# Altium PCB OpenHeat.PcbDoc
Units mil, origin at the board's own origin, x right, y up, seen from the top; angles counter-clockwise.
Board outline 2010 x 1025 mil, 4 copper layers (Top1, Signal2, Gnd3, Bottom4), stack 40.989 mil thick; 74 components, 78 nets, 375 pads, 298 vias.
Unrouted connection lines stored in the file: 56.
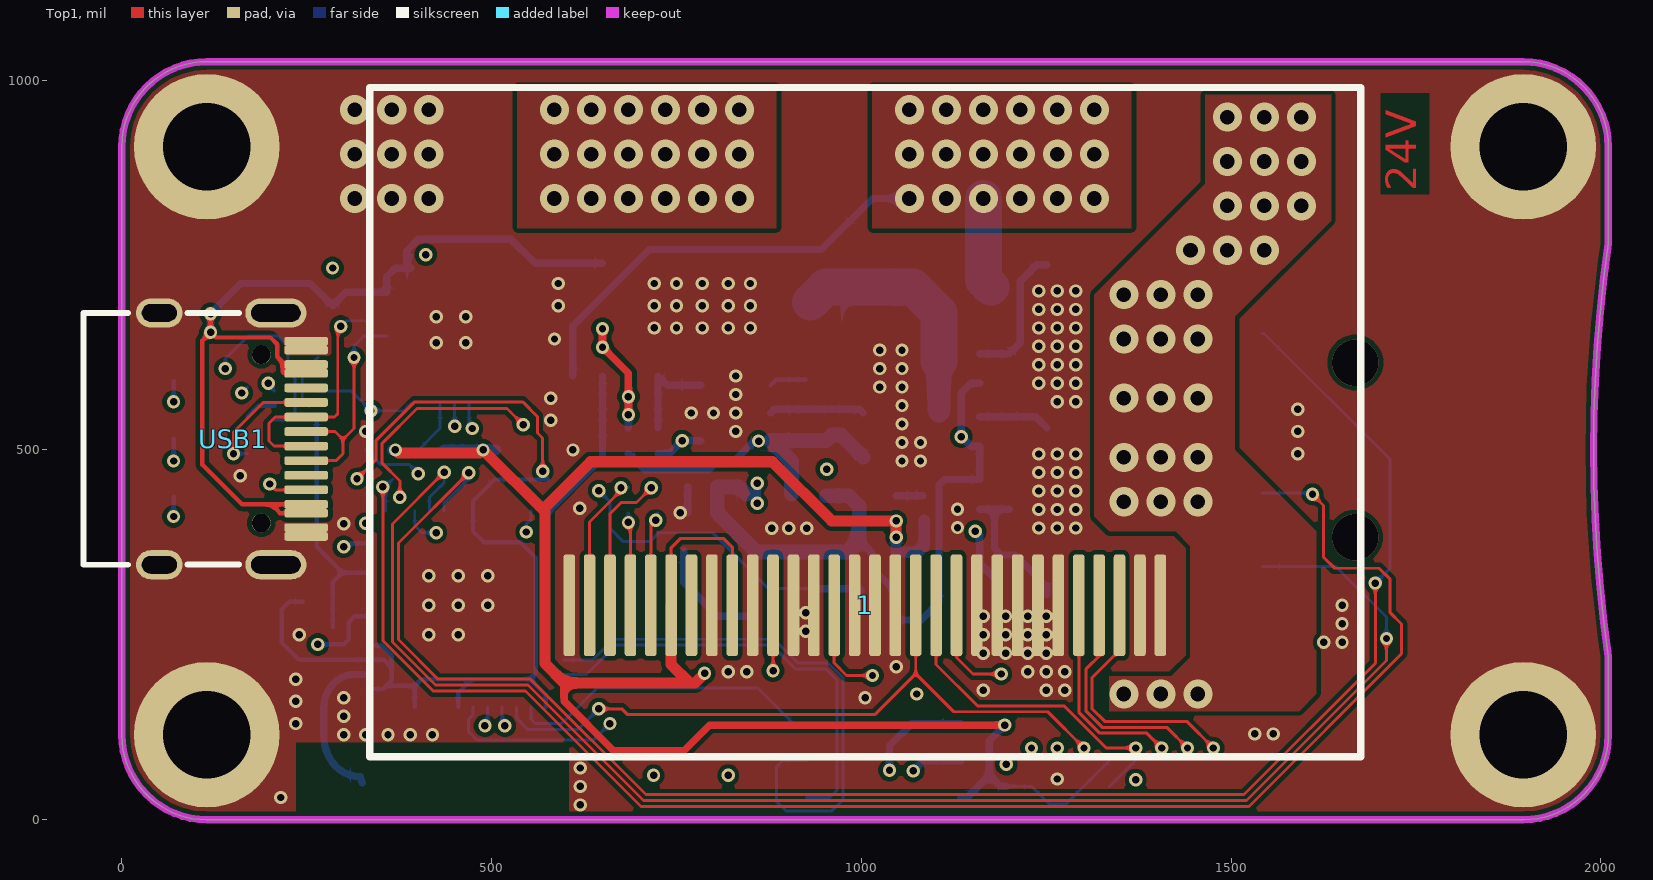
[diagram p0: Top1 view]
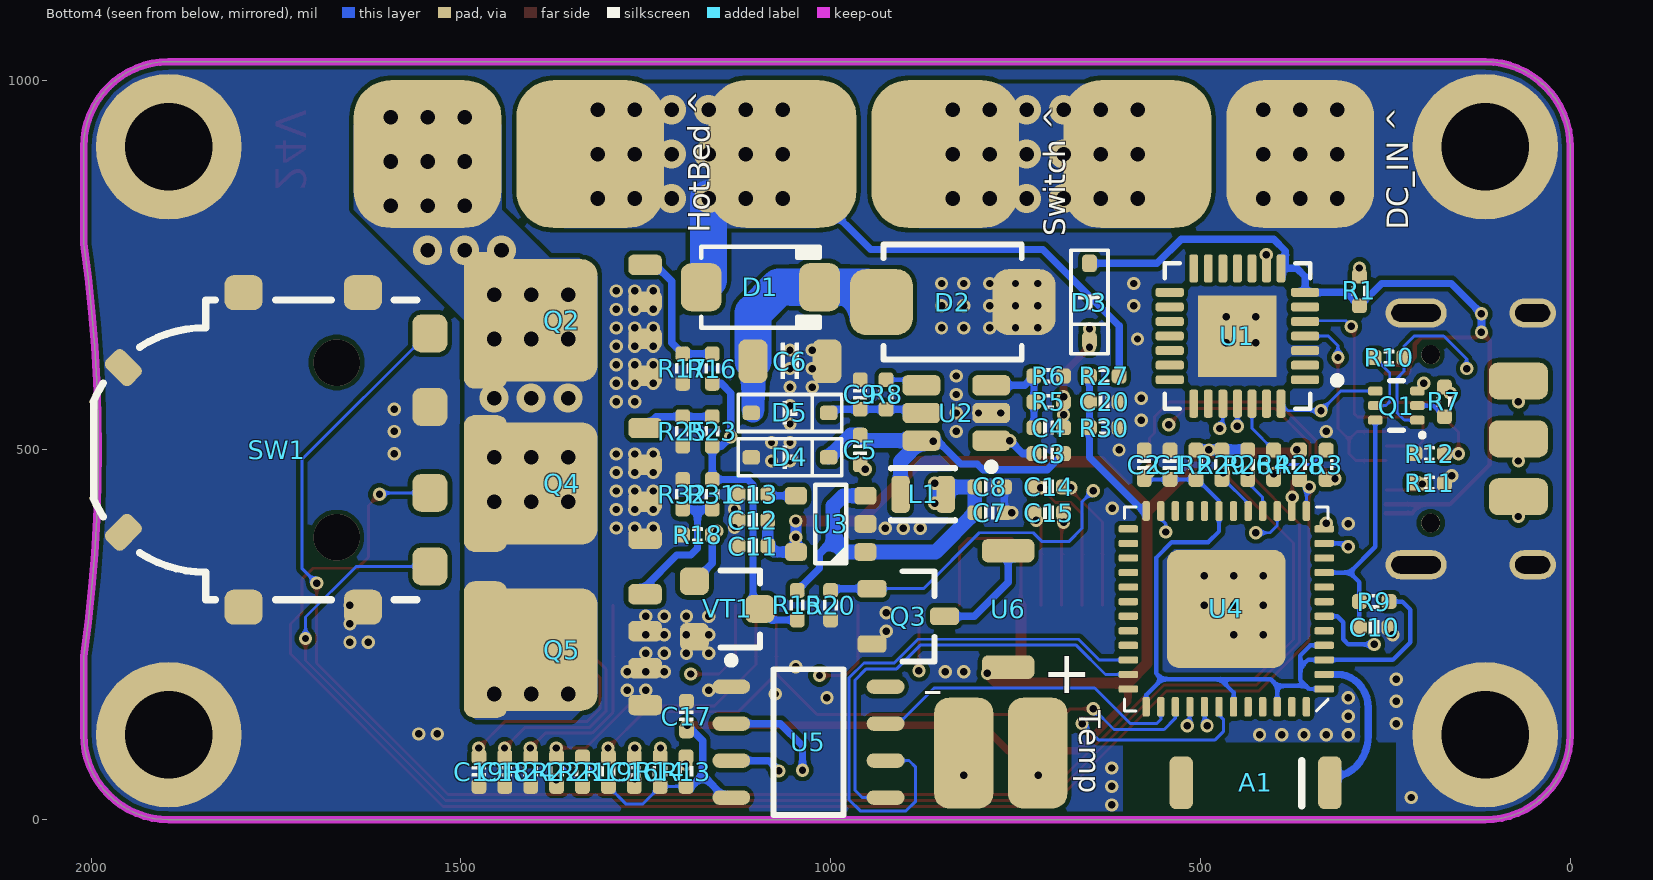
[diagram p1: Bottom4 view, seen from below]
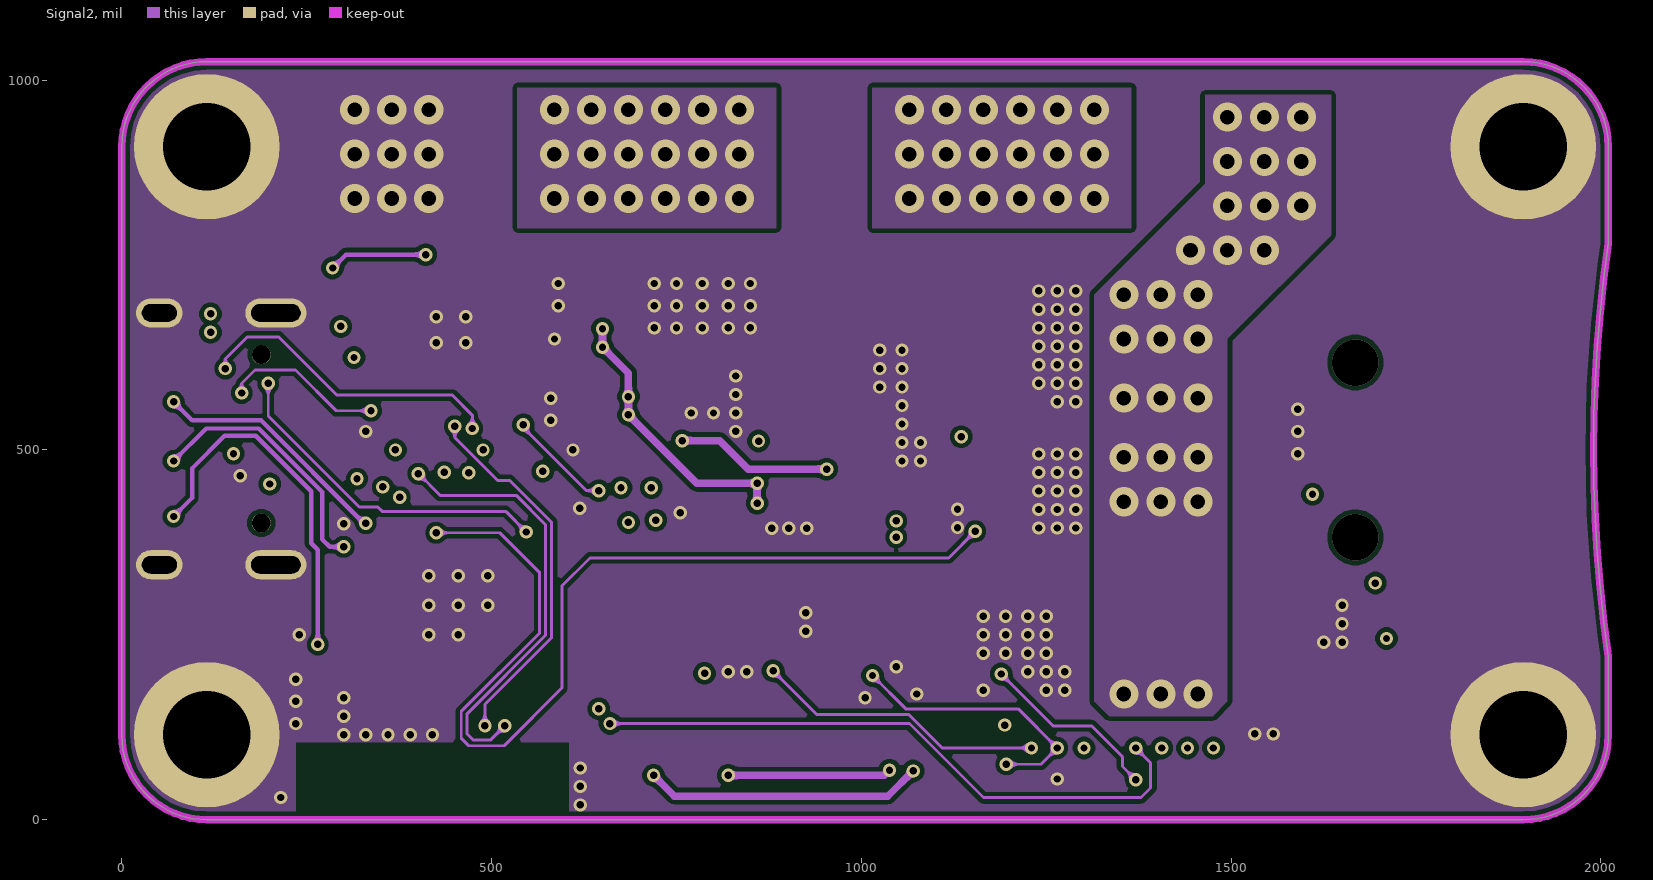
[diagram p2: Signal2]
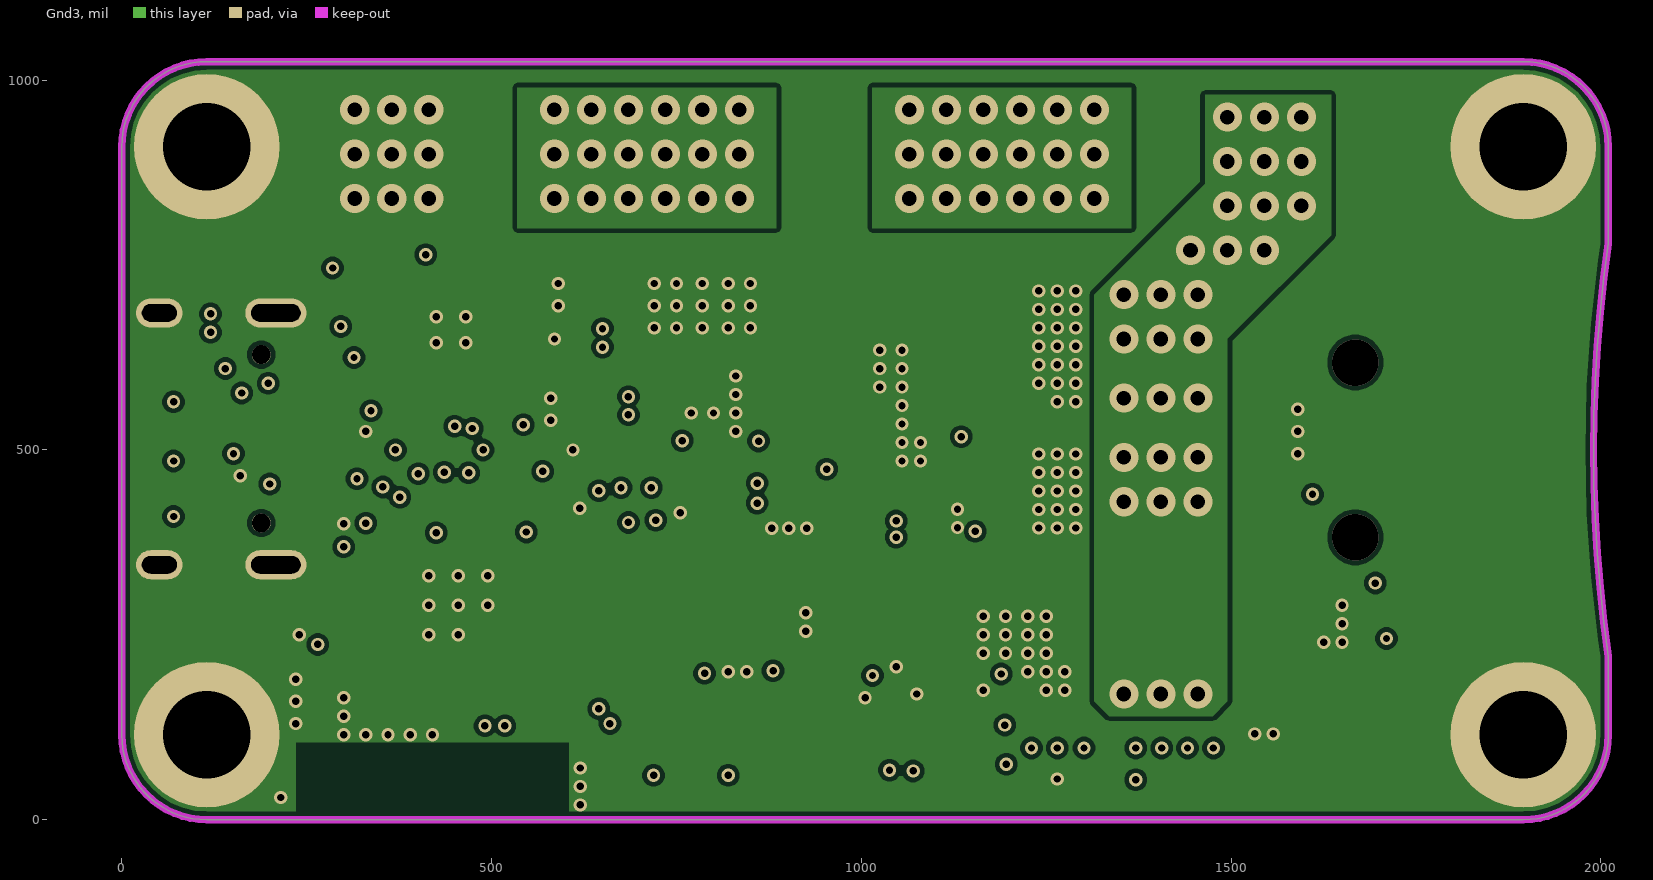
[diagram p3: Gnd3]
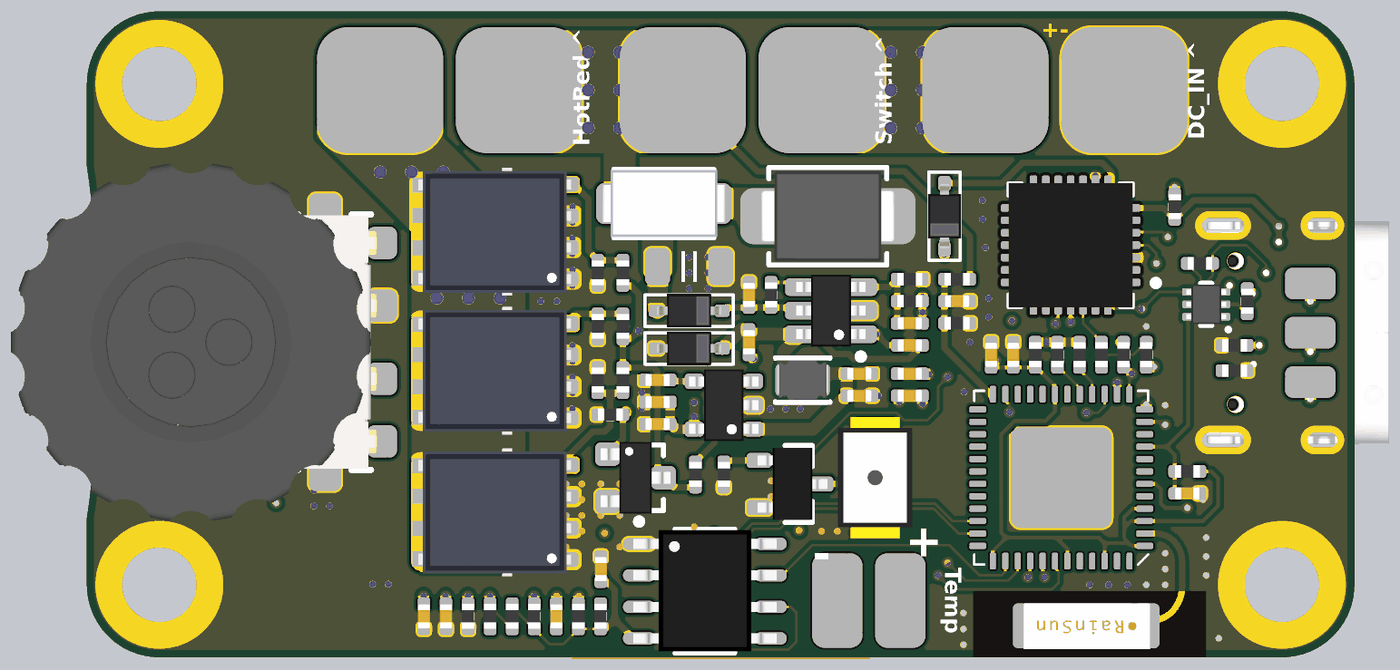
[diagram p4: 3D render of the assembled board from below, using the file's embedded part models]

## Layer stack, top to bottom
Top Solder: solder mask 0.4, Solder Resist, Dk 3.5
Top1: signal copper 1.4
Dielectric 2: prepreg 11.811, PP-006, Dk 4.1
Signal2: signal copper 1.378
Dielectric 1: core 11.811, FR-4, Dk 4.2
Gnd3: signal copper 1.378
Dielectric 3: prepreg 11.811, PP-006, Dk 4.1
Bottom4: signal copper 1.4
Bottom Solder: solder mask 0.4, Solder Resist, Dk 3.5

## Board outline
0,115 ccw(c115,115) 115,0 1895,0 ccw(c1895,115) 2010,115 2010,221 cw(c3943.52,500) 2010,779 2010,910 ccw(c1895,910) 1895,1025 115,1025 ccw(c115,910) 0,910

## Design rules (kind name [scope] priority, off if disabled: settings)
Clearance [All] p1: gap=4 ignorepadtopadclearanceinfootprint=FALSE except(6: Arc-Fill Arc-Poly Arc-Region Track-Fill Track-Poly Track-Region SMDPad-Fill SMDPad-Poly SMDPad-Region THPad-Fill THPad-Poly THPad-Region Via-Fill Via-Poly Via-Region Fill-Fill Fill-Poly Fill-Region Poly-Poly Poly-Region Region-Region)
ComponentClearance [All] p1: gap=0 collisioncheckmode=3 verticalgap=0 showdistances=FALSE
DiffPairsRouting [All] p1: maxlimit=9 minlimit=9 mostfreqgap=9 toplayer_minwidth=4 toplayer_maxwidth=4 toplayer_prefwidth=4 midlayer1_minwidth=4 midlayer1_maxwidth=4 midlayer1_prefwidth=4 midlayer2_minwidth=4 midlayer2_maxwidth=4 midlayer2_prefwidth=4 bottomlayer_minwidth=4 bottomlayer_maxwidth=4 bottomlayer_prefwidth=4 maxuncoupledlength=500
FanoutControl Fanout_BGA [All] p1: bgadir=Out bgaviamode=Centered fanoutstyle=Auto fanoutdirection=Alternating viagrid=1 // Fanout_BGA (Default Rule)
HoleSize [All] p1: absolutevalues=TRUE maxlimit=10000 minlimit=8 maxpercent=80.000 minpercent=20.000
MinimumSolderMaskSliver [All] p1 off: minsoldermaskwidth=2
PlaneClearance [All] p1: clearance=8
PlaneConnect [All] p1: planeconnectstyle=Direct reliefexpansion=20 reliefentries=4 reliefconductorwidth=10 reliefairgap=10
PolygonConnect [All] p1: connectstyle=Direct reliefconductorwidth=10 reliefentries=4 polygonreliefangle="90 Angle" airgapwidth=10
RoutingVias [All] p1: holewidth=8 width=16 viastyle="Through Hole" minholewidth=6 minwidth=12 maxholewidth=28 maxwidth=50
SilkToBoardRegionClearance [All] p1 off:
SilkToSilkClearance [All] p1: silktosilkclearance=0
SilkToSolderMaskClearance [IsPad] p1: minsilkscreentomaskgap=0 clearancetoexposedcopper=TRUE
SolderMaskExpansion [All] p1: expansion=3 istentingtop=FALSE
Width [All] p1: maxlimit=10000 minlimit=4 preferedwidth=4
20 further rules are at their usual default settings.

## Components (designator, comment, footprint, x,y, rotation, side; value= is the part's Value field where it differs from the comment)
1 "OLED-12864" OLED-12864-1.3-TOP 1005,560 r0 top locked
A1 "RAINSUN" ANT-Rainsun-AN5120 425,50 r0 bottom
C1 "10uF" CAP_0402 541,480 r270 bottom value=0.1u
C2 "0.1uF" CAP_0402 576,480 r270 bottom value=0.1u
C3 "0.1uF" CAP_0402 705,495 r0 bottom value=0.1u
C4 "100pF" CAP_0402 705,530 r0 bottom value=0.1u
C5 "0.1uF" CAP_0402 960,500 r270 bottom value=0.1u
C6 "100uF" 1206-CAP 1055,620 r0 bottom value=0.1u
C7 "0.1uF" CAP_0402 785,415 r0 bottom value=0.1u
C8 "10uF" CAP_0402 785,450 r0 bottom value=0.1u
C9 "10uF" CAP_0402 960,575 r270 bottom value=0.1u
C10 "0.1uF" CAP_0402 265,260 r180 bottom value=0.1u
C11 "0.1uF" CAP_0402 1105,370 r180 bottom value=0.1u
C12 "10uF" CAP_0402 1105,405 r180 bottom value=0.1u
C13 "10nF" CAP_0402 1105,440 r180 bottom value=0.1u
C14 "1uF" CAP_0402 705,450 r0 bottom value=0.1u
C15 "1uF" CAP_0402 705,415 r0 bottom value=0.1u
C16 "10uF" CAP_0402 1265.5,65 r90 bottom value=0.1u
C17 "0.1uF" CAP_0402 1195,140 r90 bottom value=0.1u
C18 "10uF" CAP_0402 1440.5,65 r270 bottom value=0.1u
C19 "1uF" CAP_0402 1475.5,65 r270 bottom value=0.1u
C20 "270pF" CAP_0402 630,565 r0 bottom value=0.1u
D1 "SS54" DO-214AC 1095,720 r180 bottom
D2 "SMBJ28CA" SMBJ-CA_MFG 835,700 r0 bottom
D3 "二极管-5819W" SOD-323 650,700 r270 bottom
D4 "二极管-5819W" SOD-323 1055,490 r180 bottom
D5 "二极管-5819W" SOD-323 1055,550 r180 bottom
L1 "6.8uH" IND-201612 875,440 r180 bottom
Q1 "BC847BVC-7" SOT563-6 235,560 r90 bottom
Q2 "NTMFS5C628NLT" SO8FL 1358.19,675.28 r90 bottom
Q3 "AO3400A" SOT23-3 895,275 r180 bottom
Q4 "NTMFS5C628NLT" SO8FL 1358.19,454.72 r90 bottom
Q5 "NTMFS5C628NLT" SO8FL 1358.19,230 r90 bottom
R1 "10K" RES_0402 285,715 r90 bottom value=22R
R2 "0R" RES_0402 506,480 r270 bottom value=22R
R3 "10K" RES_0402 330,480 r270 bottom value=22R
R4 "100R" RES_0402 401,480 r90 bottom value=22R
R5 "10K" RES_0402 705,565 r180 bottom value=22R
R6 "1.8K" RES_0402 705,600 r0 bottom value=22R
R7 "12K" RES_0402 170,565 r270 bottom value=22R
R8 "1M" RES_0402 925,575 r90 bottom value=22R
R9 "10K" RES_0402 265,295 r0 bottom value=22R
R10 "12K" RES_0402 245,625 r0 bottom value=22R
R11 "5.1K" RES_0402 190,455 r0 bottom value=22R
R12 "5.1K" RES_0402 190,495 r0 bottom value=22R
R13 "10K" RES_0402 1195.5,65 r270 bottom value=22R
R14 "10K" RES_0402 1230.5,65 r90 bottom value=22R
R15 "1K" RES_0402 1045,290 r90 bottom value=22R
R16 "2.2R" RES_0402 1160,610 r270 bottom value=22R
R17 "100K" RES_0402 1200,610 r270 bottom value=22R
R18 "10K" RES_0402 1180,385 r0 bottom value=22R
R19 "10K" RES_0402 1300.5,65 r90 bottom value=22R
R20 "10K" RES_0402 1000,290 r90 bottom value=22R
R21 "10K" RES_0402 1335.5,65 r270 bottom value=22R
R22 "0R" RES_0402 1370.5,65 r90 bottom value=22R
R23 "2.2R" RES_0402 1160,525 r270 bottom value=22R
R24 "1M" RES_0402 1405.5,65 r90 bottom value=22R
R25 "100K" RES_0402 1200,525 r270 bottom value=22R
R26 "10K" RES_0402 436,480 r90 bottom value=22R
R27 "10K" RES_0402 630,600 r0 bottom value=22R
R28 "10K" RES_0402 366,480 r90 bottom value=22R
R29 "10K" RES_0402 471,480 r90 bottom value=22R
R30 "1K" RES_0402 630,530 r180 bottom value=22R
R31 "2.2R" RES_0402 1160,440 r90 bottom value=22R
R32 "100K" RES_0402 1200,440 r90 bottom value=22R
SW1 "Rotary Encoder" SIQ-02FVS3 1845,500 r90 bottom locked
U1 "CP2102" QFN-28 450,654 r0 bottom locked value=Value
U2 "ME3116" SOT23-6 830,550 r0 bottom
U3 "LP2992 3V3" SOT23-5 1000,400 r0 bottom
U4 "ESP32_SIP" QFN-48_7X7 465,285 r0 bottom locked
U5 "MAX6675ISA" SO-8 1030,105 r180 bottom
U6 "DET402" DET402 760,285 r90 bottom
USB1 "Type-C" Type-C-TOP 150,515 r180 top
VT1 "S8050" SMT_TRIODE_NPN 1140,285 r270 bottom

## Footprints (in the part's own frame and the unit in brackets; to place one, negate y for a bottom-side part, rotate by r counter-clockwise, add the part's x,y. Pads: shape width x height; smd on the part's side, far side on the other; paste and mask are expansions set on the pad)
1206-CAP [mm]
  rrect50% 1x1.5 smd: 1(-1.27,0) 2(1.27,0)
  silkscreen extent -0.3,-0.61 0.3,0.61, body extent -1.5,-0.75 1.5,0.75, height 1.5
ANT-Rainsun-AN5120 [mm] "选择焊盘"
  rrect50% 0.8x1.8 smd: 1(-2.54,0) ""(2.563,0)
  silkscreen extent -1.57,-0.76 -1.57,0.79, body extent -2.57,-0.91 2.54,0.94, height 1.32
CAP_0402 [mil]
  rrect50% 20x20 smd: 1(-20,0) 2(20,0)
  silkscreen extent -7,-9 7,9, body extent -20,-10 20,10, height 20
DET402 [mm]
  rrect50% 0.8x1.8 smd: 1(-2,0) 2(2,0)
  body extent -2.45,-1.5 2.44,1.5, height 2.03
DO-214AC [mil] "SMA"
  rrect50% 55x65 smd: 1(-80,0) 2(80,0)
  silkscreen extent -80,-55 80,55, body extent -98,-53 98,53, height 85
IND-201612 [mil]
  rrect50% 25x50 smd paste+0 mask+0: 1(-30.46,0) 2(30.46,0)
  silkscreen extent -43,-35 43,35, body extent -39,-31 39,31, height 37
OLED-12864-1.3-TOP [mm]
  rrect50% 0.4x3.5 smd: 1(-10.16,-6.858) 2(-9.46,-6.858) 3(-8.76,-6.858) 4(-8.06,-6.858) 5(-7.36,-6.858) 6(-6.66,-6.858) 7(-5.96,-6.858) 8(-5.26,-6.858) 9(-4.56,-6.858) 10(-3.86,-6.858) 11(-3.16,-6.858) 12(-2.46,-6.858) 13(-1.76,-6.858) 14(-1.06,-6.858) 15(-0.36,-6.858) 16(0.34,-6.858) 17(1.04,-6.858) 18(1.74,-6.858) 19(2.44,-6.858) 20(3.14,-6.858) 21(3.84,-6.858) 22(4.54,-6.858) 23(5.24,-6.858) 24(5.94,-6.858) 25(6.64,-6.858) 26(7.34,-6.858) 27(8.04,-6.858) 28(8.74,-6.858) 29(9.44,-6.858) 30(10.14,-6.858)
  silkscreen extent -17.02,-12.06 17.02,10.92, body extent -17,-14.29 17,11.07, height 4.6
QFN-28 [mil]
  rrect50% 38x12 smd mask+5: 1(-91.5,59.06) 2(-91.5,39.37) 3(-91.5,19.68) 4(-91.5,0) 5(-91.5,-19.69) 6(-91.5,-39.37) 7(-91.5,-59.06) 15(91.5,-59.06) 16(91.5,-39.37) 17(91.5,-19.69) 18(91.5,0) 19(91.5,19.68) 20(91.5,39.37) 21(91.5,59.06)
  rrect50% 12x38 smd mask+5: 8(-59.06,-91.5) 9(-39.37,-91.5) 10(-19.69,-91.5) 11(0,-91.5) 12(19.68,-91.5) 13(39.37,-91.5) 14(59.06,-91.5) 22(59.06,91.5) 23(39.37,91.5) 24(19.68,91.5) 25(0,91.5) 26(-19.69,91.5) 27(-39.37,91.5) 28(-59.06,91.5)
  rect 106.3x110.24 smd: 29(0,0)
  silkscreen extent -140,-98 98,98, body extent -99,-99 98,98, height 35
QFN-48_7X7 [mm]
  rrect50% 0.675x0.25 smd: 1(-3.363,2.75) 2(-3.363,2.25) 3(-3.363,1.75) 4(-3.363,1.25) 5(-3.363,0.75) 6(-3.363,0.25) 7(-3.363,-0.25) 8(-3.363,-0.75) 9(-3.363,-1.25) 10(-3.363,-1.75) 11(-3.363,-2.25) 12(-3.363,-2.75) 25(3.363,-2.75) 26(3.363,-2.25) 27(3.363,-1.75) 28(3.363,-1.25) 29(3.363,-0.75) 30(3.363,-0.25) 31(3.363,0.25) 32(3.363,0.75) 33(3.363,1.25) 34(3.363,1.75) 35(3.363,2.25) 36(3.363,2.75)
  rrect50% 0.25x0.675 smd: 13(-2.75,-3.363) 14(-2.25,-3.363) 15(-1.75,-3.363) 16(-1.25,-3.363) 17(-0.75,-3.363) 18(-0.25,-3.363) 19(0.25,-3.363) 20(0.75,-3.363) 21(1.25,-3.363) 22(1.75,-3.363) 23(2.25,-3.363) 24(2.75,-3.363) 37(2.75,3.363) 38(2.25,3.363) 39(1.75,3.363) 40(1.25,3.363) 41(0.75,3.363) 42(0.25,3.363) 43(-0.25,3.363) 44(-0.75,3.363) 45(-1.25,3.363) 46(-1.75,3.363) 47(-2.25,3.363) 48(-2.75,3.363)
  rrect20% 4.064x4.064 smd: 49(0,0)
  silkscreen extent -3.5,-3.5 3.5,3.5, body extent -3.5,-3.5 3.5,3.5, height 1
RES_0402 [mil]
  rrect50% 20x20 smd: 1(-20,0) 2(20,0)
  silkscreen extent -7,-10 7,10, body extent -20,-10 20,10, height 14
SIQ-02FVS3 [mm]
  rrect50% 1.3x1.2 smd: 1(-4,-7.7) 2(-1.475,-7.7) 3(1.475,-7.7) 4(4,-7.7)
  rrect50% 1.2x1.3 smd: 5(-5.4,-5.4) 5(-5.4,-1.3) 5(5.4,-5.4) 5(5.4,-1.3)
  rrect50% 0.85x1.2 smd rot 45: 5(-2.828,2.828)
  rrect50% 0.85x1.2 smd rot 135: 5(2.828,2.828)
  silkscreen extent -5.15,-7.25 5.15,3.86, body extent -7.2,-7.5 7.2,7.25, height 4.06
SMBJ-CA_MFG [mm]
  rrect50% 2.16x2.26 smd paste+0 mask+0: 1(-2.45,0) 2(2.45,0)
  silkscreen extent -2.37,-1.97 2.37,1.97, body extent -2.7,-1.81 2.7,1.81, height 2.62